# KiCad board AMLDC-2044B.kicad_pcb (continued)
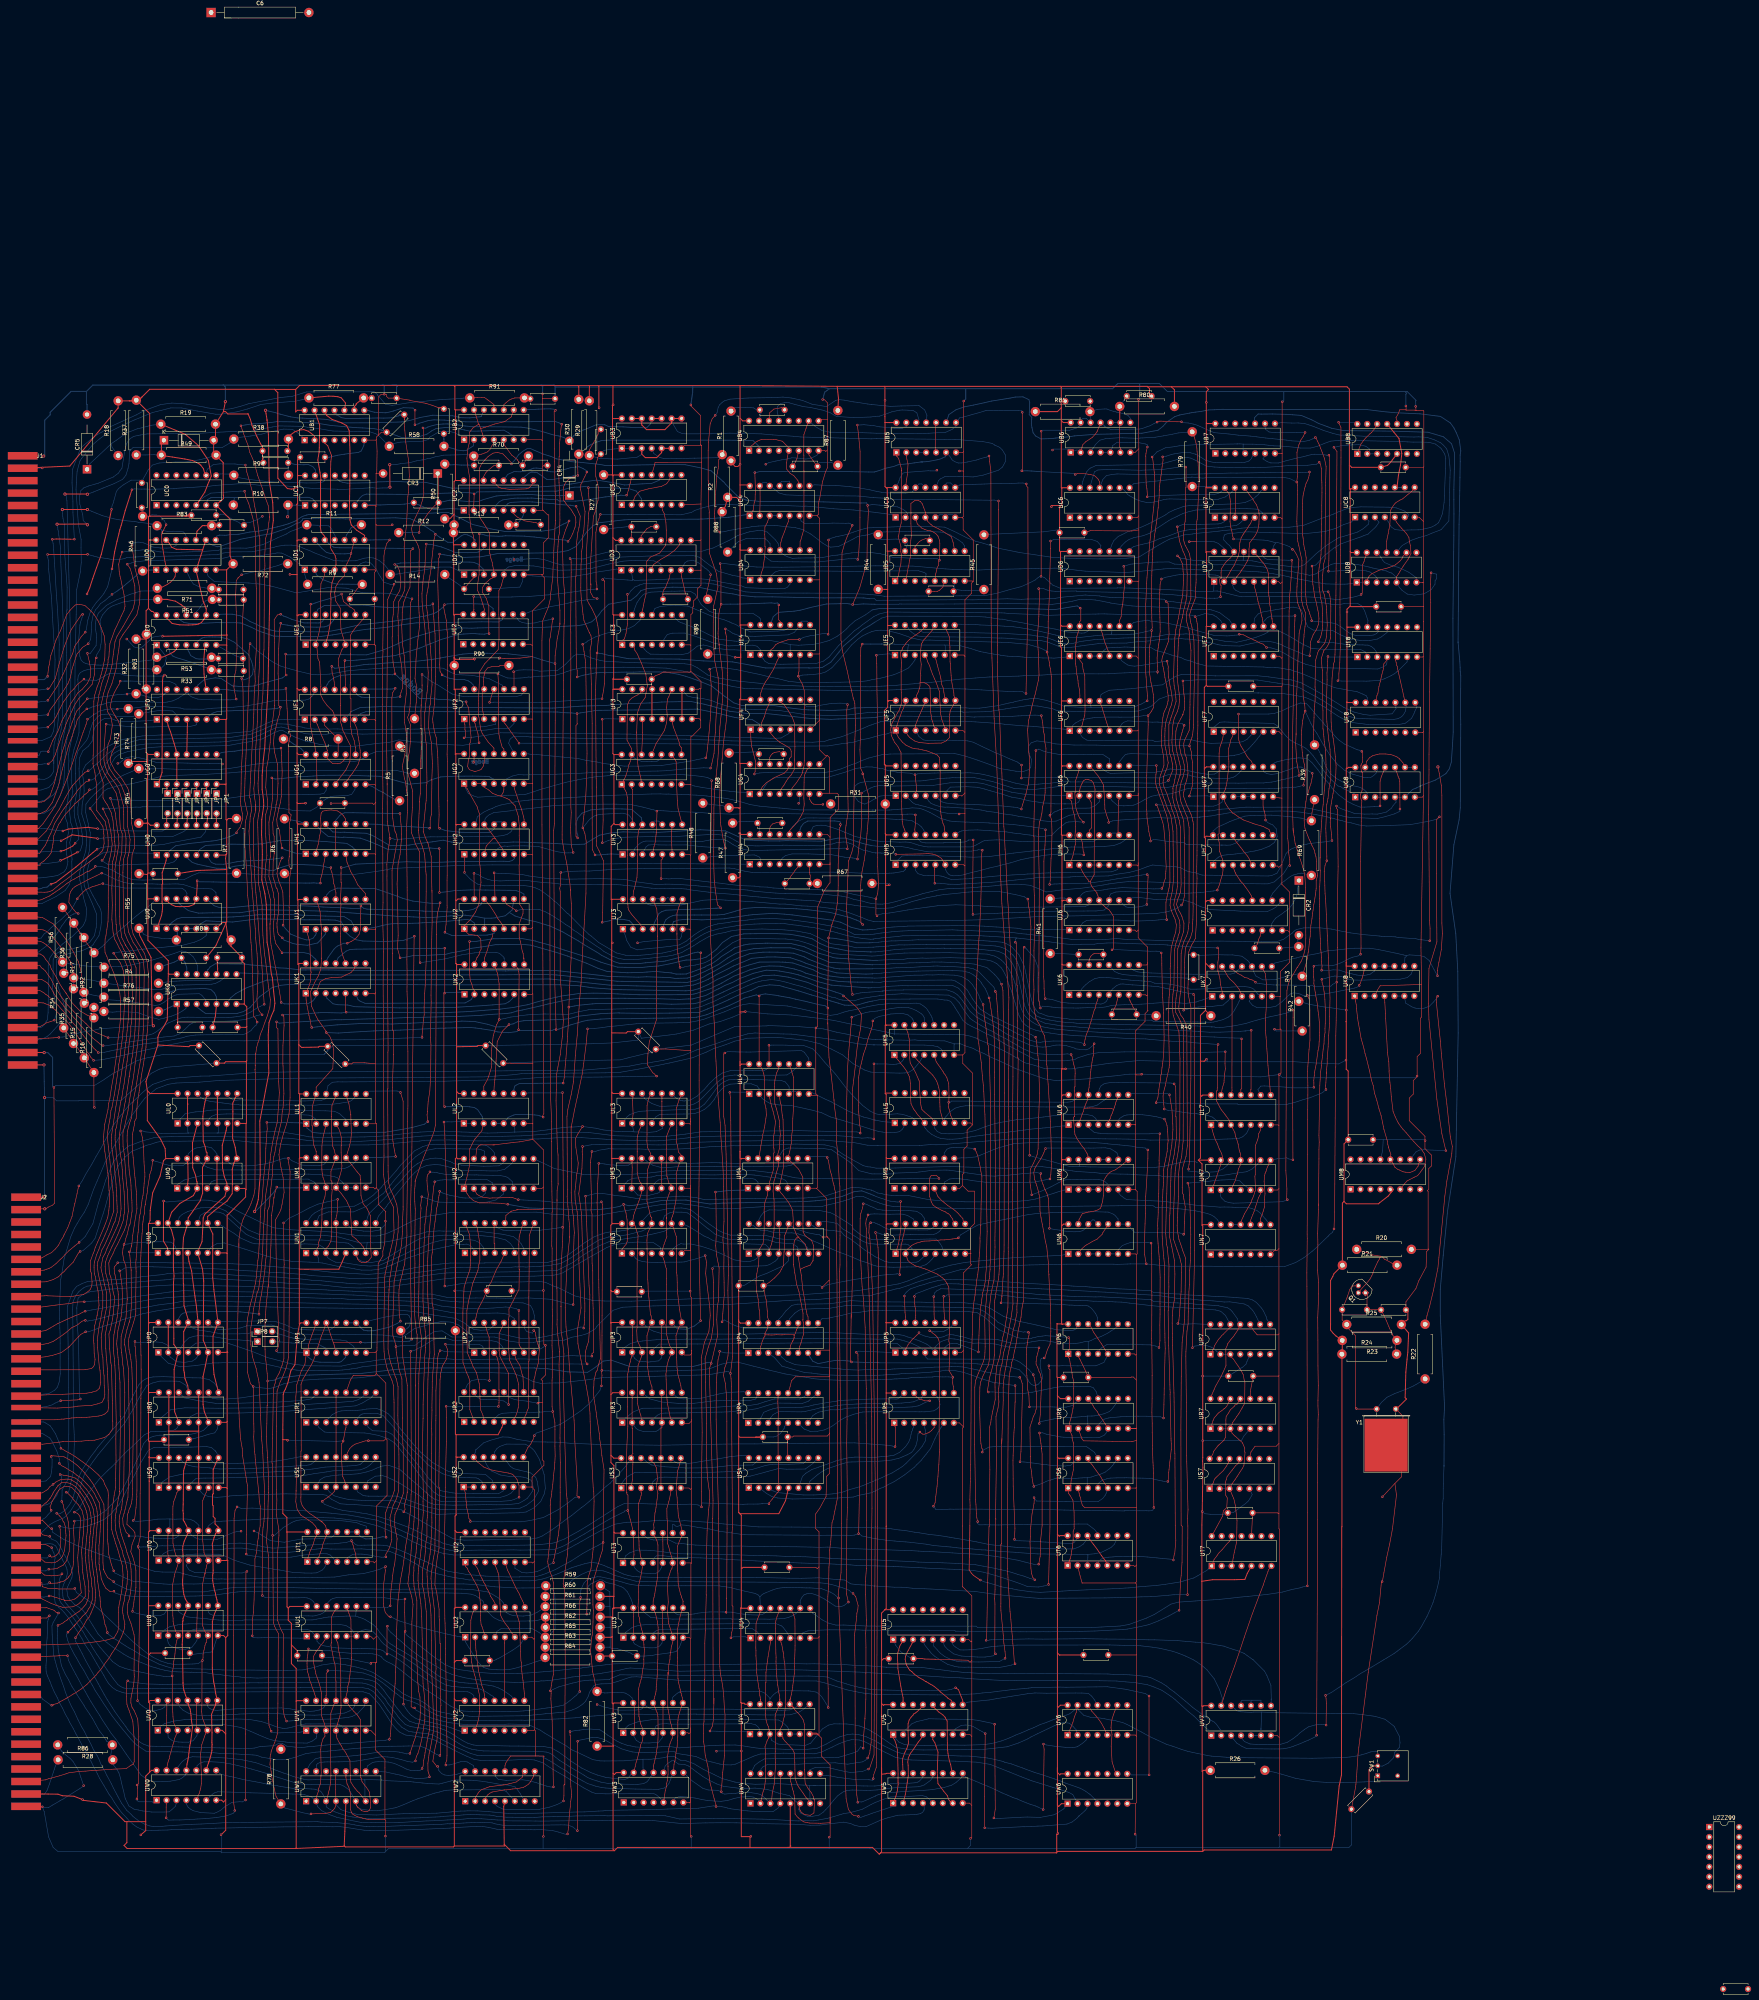
[diagram p0: board, top side]
## Routing (per net, layer and track width the routed paths; a pad name or vN(x,y) marks a point on that pad's centre or on a via; arc(x,y) is an arc through that point) (continued)
P1p3: length 15.1
  Bottom w0.15: UP1.3 153.02,163.59 152.41,163.88 152.19,163.98 150.97,164.65 149.67,164.68 145.76,164.7 144.39,164.79 142.18,165.02 141.51,165.04 JP8.2
P1p6: length 23.3
  Bottom w0.15: JP7.2 140.58,167.35 141.82,166.9 142.46,166.76 ; UP1.6 160.33,163.91 158.43,165.3 156.92,165.55 154.43,165.66 151.97,165.79 150.56,165.79 148.8,165.68 147.7,165.76 147.18,165.81 145.41,165.89 143.53,166.37 142.46,166.76
P2p1: length 124.5
  Top w0.15: v1(181.78,56.63) 181.58,56.63 180.53,57.98 181,60.69 181.2,61.72 181.6,63.32 181.66,64.68 181.3,80.8 181.37,81.61 181.31,82.99 180.91,96.88 180.3,101.99 180.07,104.71 180.18,106.16 180.28,106.7 180.66,109.73 181.06,111.64 181.09,113.63 181.09,114.53 181.26,120.15 181.26,126.59 181.31,144.97 181.33,146.28 181.33,152.57 181.75,160.77 181.99,162.12 v1(182.4,162.83)
  Bottom w0.15: UW2.16 188.04,55.04 187.61,54.94 186.69,54.63 185.53,54.43 184.54,54.34 183.59,54.45 182.79,54.81 182.08,55.58 v1(181.78,56.63) ; 189.19,162.46 184.15,162.54 183.48,162.63 182.97,162.83 v1(182.4,162.83) ; 189.19,162.46 189.39,162.46 ; 189.19,162.46 189.93,162.46 190.21,162.44 UP2.1
P2p3: length 128.4
  Top w0.15: v1(183.93,148.62) 184.04,145.72 183.99,139.52 183.72,127.82 183.72,126.76 183.74,125.15 183.5,114.77 183.45,112.28 183.42,110.8 183.51,110.09 183.51,104.46 183.44,104.39 183.51,104.32 183.6,94.44 183.66,93.24 183.7,91.49 183.72,89.55 183.8,86.84 183.77,85.29 183.83,82.98 183.92,78.3 183.95,77.67 183.95,69.81 183.99,68.28 184.13,64.09 184.16,62.45 184.16,59.43 184.1,58.16 183.85,57.6 v1(183.85,56.99) ; 197.23,148.47 197.3,148.54 v1(197.3,148.57) 197.33,148.57 197.43,148.67 197.43,149.58 197.46,149.62 197.46,152.86 197.43,152.9 197.43,159.29 196.92,161.21 UP2.3
  Bottom w0.15: UW2.15 190.91,56.87 189.88,57.46 189.38,57.77 188.7,57.9 187.7,57.86 184.92,57.03 v1(183.85,56.99) ; v1(183.93,148.62) 184.58,148.62 185.84,148.5 186.62,148.47 187.12,148.5 188.16,148.59 189.98,148.52 191.24,148.56 193.27,148.56 193.83,148.57 v1(197.3,148.57)
P2p5: length 10.5
  Top w0.15: UP2.5 201.82,160.6 202.78,159.04 203.33,156.81 203.56,156.28 UR2.10
P2p11: length 32
  Top w0.15: 197.68,161.48 197.45,162.87 197.49,162.91 197.49,167.2 197.76,167.83 UP2.11 ; 199.91,148.82 v1(199.91,149.06) 199.91,157 197.65,161.4
  Bottom w0.15: UR2.15 191.54,151.22 192.34,150.72 192.68,150.42 193.53,150.36 194.28,150.31 196.69,150.32 198.69,149.97 199.91,149.13 v1(199.91,149.06)
P2p13: length 23.3
  Top w0.15: UP2.13 194.15,168.72 194.52,167.3 194.93,166.28 v1(195,155.2) 195.06,155.03
  Bottom w0.15: v1(195,155.2) 193.86,155.44 192.89,155.5 191.59,155.4 190.44,155.19 189.39,154.21 UR2.16
P3p1: length 166.6
  Top w0.15: v1(334.1,128.14) 333.9,128.84 333.65,130.36 333.5,132.03 333.31,133.02 333.19,135.75 333.22,135.79 333.11,143.31 333.62,144.82 333.96,145.96 334.41,146.83 334.69,147.9 334.81,148.65 334.81,151.77 334.66,152.64 334.63,153.28 334.48,154.03 334.36,155.24 334.2,155.91 v1(333.96,156.71)
  Bottom w0.15: UP3.1 228.92,163.24 230.98,164.63 232.48,165.06 234.18,165.3 237.7,165.62 239.53,165.67 247.86,165.78 252.93,165.74 264.02,165.92 270.85,165.88 273.72,165.97 292.41,165.81 293.82,165.77 298.42,165.77 299.22,165.79 300.33,165.51 301.15,165.29 302.82,164.74 305.16,163.6 UP5.4 306.35,161.32 306.99,160.68 324.92,160.64 326.71,160.57 327.43,160.54 329.19,160.52 329.94,160.2 330.63,159.83 331.81,158.91 332.93,157.9 333.94,156.71 v1(333.96,156.71) ; v1(334.1,128.14) 334.61,128.36 335.64,128.71 336.63,129.1 337.23,129.42 337.93,129.67 338.26,129.75 339.79,130.23 341.72,130.22 342.95,130.19 344.64,130.19 345.6,130.29 346.43,130.33 346.93,130.36 347.74,130.36 ; 347.74,130.36 348.77,130.55 349.97,130.95 351.12,131.28 352.3,131.79 353.56,132.74 353.75,132.97 354.16,133.44 354.39,133.69 354.55,133.99 354.61,134.04 354.98,134.57 US6.9 ; 347.74,130.36 347.74,128.83 US6.3 347.78,128.81
P3p4: length 129.6
  Top w0.15: UP5.2 301.39,163.25 301.94,164.3 302.47,164.98 302.91,165.52 304.21,166.81 304.47,167.02 v1(304.76,167.44) 304.84,167.44 304.85,167.45
  Bottom w0.15: 348,165.15 348,163.08 ; 348,165.15 347.27,165.18 346,164.83 344.8,164.67 344.35,164.6 341.42,164.6 340.43,164.81 337.65,165.28 336.57,165.4 335.45,165.37 333.5,165.07 331.78,164.74 330.43,164.74 330.4,164.72 328.56,164.7 326.51,165.25 324.94,165.62 323.44,165.76 317.92,165.76 315.74,166.45 315.18,166.51 313.56,166.86 312.83,166.95 311.87,166.8 311.06,166.39 309.99,166.16 308.02,166.16 307.46,166.26 306.32,166.54 305.02,167.03 v1(304.76,167.44) ; 348,165.15 348.75,165.44 349.81,165.98 351.26,166.42 353.19,167.41 353.79,167.83 354.7,168.38 355.08,168.66 UP6.9 ; UP5.2 300.71,163.2 300.28,163.71 299.24,164.62 298.9,164.67 292.74,164.65 282.01,164.85 277.15,164.81 248.14,164.53 243.72,164.55 238.37,164.51 237.02,163.35 UP3.4 ; 348.01,163.08 UP6.3
P4p3: length 122.5
  Top w0.15: 329.21,114.51 329.28,114.57 v1(329.15,114.64) 329.28,117.36 329.04,123.13 328.84,128.13 328.82,130.07 328.78,134.81 328.81,136.07 329.02,141.97 329.12,143.22 329.31,149.68 329.34,149.71 329.34,153.55 329.4,153.81
  Bottom w0.15: UP4.3 267.8,161.09 269.71,158.89 272.33,158.14 275.58,157.23 277.33,157.11 278.91,156.88 281.95,156.61 285.93,156.47 293.33,156.5 ; 293.33,156.5 293.51,156.51 ; 293.33,156.5 294.74,156.56 295.69,156.6 298.14,156.76 298.9,156.81 299.68,156.86 300.34,156.96 301.34,157.01 304.37,157.1 308.02,157.35 310.35,157.62 311.48,157.84 312.37,157.81 314.19,157.68 315.95,157.34 318.31,156.55 320.84,155.62 323.5,154.78 326.41,154.34 327.55,154.17 v1(329.32,153.91) 329.34,154 ; v1(329.15,114.64) 329.54,114.29 330.56,114.27 334.2,114.14 335.73,114.04 336.17,113.98 337.12,113.94 339.97,113.75 340.99,113.69 343.8,113.54 344.39,113.83 344.92,114.5 345.04,115.35 UT6.13
P5p8: length 190.8
  Top w0.15: v1(308.45,123.1) 308.88,124 309.04,125.49 309.39,128.22 309.51,129.76 309.61,130.77 309.7,132.31 309.84,133.83 309.96,136.71 309.96,137.18 309.98,137.67 309.91,142.21 309.91,142.78 309.98,149.79 309.96,149.81 309.99,156.11 310.03,164.49 309.84,165.49 309.63,165.98 309.45,166.24 309.45,166.26 309.28,166.48 308.94,166.79 308.26,167.32 307.49,167.93 v1(307.49,167.93) ; v1(364.06,190.3) 364.15,189.91 364.18,187.61 364.24,186.24 364.23,177.83 364.27,176.89 364.23,167.94 364.22,165.87 364.25,164.93 364.34,156.49 364.32,156.48 364.32,150.59 364.28,147.07 364.35,144.31 364.36,141.94 364.46,138.51 364.43,137.72 364.54,134.36 364.59,133.53 364.61,132.76 364.64,131.58 v1(364.78,122.76)
  Bottom w0.15: v1(308.45,123.1) 308.5,123.1 309.05,122.27 310.64,122.21 312.68,122.36 313.56,122.33 316.79,122.37 317.78,122.36 333.76,122.24 334.62,122.23 336.81,122.21 337.87,122.24 341.87,122.12 343.42,122.09 352.75,121.98 354.24,121.94 357.29,121.89 357.37,121.98 361.04,121.93 362.78,121.94 363.49,121.91 364.24,121.96 364.53,122.13 v1(364.78,122.76) ; v1(307.49,167.93) 308.26,167.76 308.46,167.7 308.74,167.62 311.07,167.72 311.41,167.92 311.94,168.18 312.46,168.6 313.13,169.11 UP5.8 ; v1(364.06,190.3) 363.27,190.45 362.88,190.49 362.29,190.48 358.72,190.42 357.67,190.07 356.72,189.67 355.63,188.58 UN6.6 UN6.5
P5p9: length 92
  Top w0.15: UP5.9 311.29,170.99 311.27,171.3 310.97,176.26 311.08,176.66 v1(311.08,176.71) 311.04,176.71 311.11,176.64 ; UP7.12 384.31,168.83 382.5,167.02 382.1,166.66 381.78,166.25 381.3,165.72 380.26,164.07 380.08,163.41 UP7.1
  Bottom w0.15: 376.14,173.56 380.51,173.23 381.86,172.88 382.64,172.2 383.07,171.8 383.66,170.75 UP7.12 ; 376.14,173.56 376.42,173.54 ; 376.14,173.56 375.07,173.62 372.03,173.8 370.8,173.87 366.52,174.11 364.38,174.3 358.51,174.97 356.56,175.22 354.91,175.27 354.16,175.32 353.28,175.4 349.27,175.46 347.89,175.56 346,175.69 344.89,175.65 336.09,175.97 333.97,176.16 332,176.3 331.34,176.34 330.33,176.36 327.96,176.78 327.7,176.74 327.46,176.84 325.15,177.04 324.52,177.16 323.39,177.15 322.93,177.09 311.92,177.09 311.54,176.71 v1(311.08,176.71)
P5p10: length 110.1
  Top w0.15: UR7.14 379.65,151.72 380.16,152.84 380.47,153.64 381.97,156.28 382.39,157.14 383.2,159.01 383.15,163.33 383.58,164.3 383.65,164.59 384.09,165.2 384.48,165.75 385.13,166.47 385.37,166.84 386.27,168.14 UP7.11 ; UP5.10 308.66,171.14 308.62,172.19 308.62,173.8 v1(308.54,176.64) 308.47,176.66
  Bottom w0.15: 377.15,174.58 380.2,174.38 381.24,174.3 383.65,173.76 384.37,173.27 384.77,172.85 385.37,172.02 386.12,170.98 386.31,170.25 UP7.11 ; 377.15,174.58 375.56,174.68 373.85,174.89 372.83,174.89 370.85,175.02 370.09,175.04 369.06,175.08 367.84,175.19 366.14,175.29 364.68,175.41 364,175.88 363.9,175.87 360.84,176.04 359.26,176.18 352.07,176.54 351.21,176.59 349.85,176.55 344.56,176.66 342.78,176.75 336.64,177.11 335.46,177.14 332.96,177.43 332.29,177.45 329.75,177.72 329.29,177.77 328.06,177.86 326.97,178.04 322.6,178.23 320.64,178.31 318.47,178.38 317.03,178.44 312.03,178.6 310.27,178.65 ; 377.15,174.58 377.44,174.56 ; v1(308.54,176.64) 308.73,177.54 309.31,178.12 309.55,178.22 310.35,178.64
P5p12: length 99.2
  Top w0.15: UP5.12 303.81,171.32 303.94,171.86 303.84,173.59 303.74,174.11 303.66,174.93 303.66,176.66 v1(303.59,176.66) 303.59,176.73 303.64,176.69
  Bottom w0.15: v1(303.59,176.66) 303.59,176.85 304,177.4 306.04,178.14 306.56,178.35 307.9,178.85 308.35,179 308.58,179.06 309.08,179.21 309.72,179.42 310.33,179.62 311.01,179.8 311.87,179.92 ; 311.87,179.92 311.91,179.92 ; 311.87,179.92 314.92,179.88 316.33,179.7 320.41,179.47 322.18,179.31 327.74,179.06 328.99,178.99 330.28,178.95 331.23,178.88 334.52,178.68 335.25,178.68 336,178.6 337.48,178.55 338.55,178.54 342.92,178.29 344.21,178.22 348.54,177.98 349.98,177.88 350.72,177.84 352.42,177.77 355.45,177.55 358.89,177.44 361.4,177.18 364.32,177.01 366.15,176.87 370.65,176.19 371.8,176.14 372.43,176.14 374.08,176.02 376.64,175.74 379.88,175.54 382.79,175.25 384.18,175.3 387.82,174.77 388.84,174.29 389.51,173.66 390.01,173.13 390.54,172.34 390.98,171.48 UP7.9
P5p13: length 106
  Top w0.15: 301.05,176.94 301.05,176.8 v1(301.02,176.78) 301.05,176.75 301.2,172.55 301.32,171.49 301.27,171.3 UP5.13
  Bottom w0.15: v1(301.02,176.78) 301.02,177.12 301.46,177.65 301.72,177.92 302.24,178.36 302.68,178.64 304.9,179.42 306.18,179.76 307.39,180.17 309.49,180.71 311.73,181.03 312.77,180.96 315.42,180.93 316.72,180.93 321.15,180.82 324.41,180.59 329.77,180.21 331.78,180.03 338.73,179.69 341.49,179.52 343.65,179.35 344.32,179.3 347.32,179.17 348.31,179.09 353.55,178.73 354.87,178.64 359.88,178.45 361.06,178.28 363.93,178.16 364.71,177.68 366.11,177.6 367.87,177.46 368.95,177.42 370.09,177.32 371.29,177.3 372.07,177.18 373.94,177.03 375.86,176.96 376.14,176.95 ; 376.14,176.95 380.57,176.67 381.38,176.68 385.14,176.44 385.82,176.38 388.75,176.16 390.02,175.77 390.99,175.13 392.29,173.69 392.81,172.9 393.49,171.46 393.66,170.83 UP7.8 ; 376.14,176.95 376.64,176.92
P7p3: length 402.2
  Top w0.15: v1(374.63,163.57) 375.21,188.48 375.09,240.14 375.15,252.88 375.15,253.58 v1(374.9,253.83) ; v1(337.02,252.72) 336.85,253.71 336.72,255.33 336.71,257.23 336.59,258.45 336.64,265.99 336.62,266.72 336.62,267.66 336.61,273.69 336.61,280.07 336.68,280.14 336.68,287.8 336.82,290.09 336.86,290.44 336.96,291.94 337.04,293.78 337.12,294.59 v1(337.09,295.84) ; US7.3 384.89,125.72 385.2,125.04 385.59,123.31 386.02,119.42 385.92,113.94 385.31,111.22 385.07,110.01 384.91,109 384.64,107.83 ; US7.3 384.78,128.84 385.56,129.96 386.05,130.69 386.74,131.77 387.44,132.82 387.78,133.55 388.06,136.75 387.99,137.14 387.99,137.95 387.51,139.04 387.35,139.39 386.5,140.12 385.88,140.71 385.48,141.03 385.18,141.32 384.77,141.74 UR7.3 384.95,144.56 385.39,145.18 385.55,145.4 385.94,146 386.48,146.72 387.31,148.18 387.97,149.35 388.04,154.7 387.87,155.27 387.62,156.65 387.16,157.56 386.4,158.78 385.81,159.61 385.11,160.66 384.31,161.44 UP7.3 ; US7.3 384.11,128.19
  Bottom w0.15: 293.07,300.9 292.82,300.9 ; 292.82,300.9 289.45,300.94 274.35,300.93 270.4,301.29 269.98,301.36 269.11,301.42 263.95,301.9 261.57,302.31 258.79,303.13 255.59,303.87 254.32,304.02 253.1,304.16 250.43,304.5 247.83,304.71 246.25,304.77 245.94,304.81 244.06,304.85 242.81,304.86 240.68,304.98 240.13,304.96 238.65,305.02 236.42,305 224.03,304.59 219.3,304.31 217.91,304.22 215.93,304.11 211.51,303.85 211.42,303.76 211.4,303.79 207.51,303.64 206.75,303.62 206.23,303.56 205.05,303.43 203.88,303.3 201.76,303.07 200.64,302.73 197.95,302.19 196.6,301.76 195.82,301.36 ; 292.82,300.9 297.31,300.9 297.82,300.95 299.25,301.07 300.59,301.18 301.66,301.28 303.01,301.46 304.8,301.35 305.79,301.06 307.53,300.31 310.21,298.8 312.59,298.1 313.98,297.93 316.53,297.84 318.74,297.77 322.64,297.61 322.87,297.56 324.22,297.53 328.83,297.2 330.5,297 333.53,296.65 333.63,296.6 334.48,296.46 336.26,296.19 337.09,295.98 v1(337.09,295.84) ; UP7.3 UP7.2 380.71,162.74 380.22,163.3 379.42,163.73 378.14,164.16 377.38,164.1 376.88,164.08 376.11,164.11 375.12,163.98 v1(374.63,163.57) ; UH2.13 191.58,297.67 191.92,299.18 193.5,300.34 194.88,301.02 195.82,301.36 ; 195.82,301.36 195.83,301.38 ; UR7.3 UR7.2 ; US7.3 US7.2 ; UT7.2 384.64,107.83 ; v1(337.02,252.72) 338.04,252.61 338.9,252.47 340.94,251.83 342.86,251.6 344.34,251.53 347.24,251.5 348.1,251.47 349.38,251.45 350.32,251.44 351.24,251.34 352.23,251.68 352.66,252.09 352.9,252.51 UK6.5 353.82,254.68 354.19,255.19 355.05,255.92 355.27,256.07 356.18,256.45 356.88,256.48 358.31,256.33 359.27,256.23 359.28,256.25 361.75,256.1 364.11,255.93 365.84,255.8 368.51,255.22 372.21,254.39 372.93,254.27 373.51,254.14 374.1,254.07 374.9,253.85 v1(374.9,253.83)
Q1p1: length 20.7
  Top w0.15: R24.2 426.4,163.63 426.47,164.25 426.88,164.92 R23.1 425.86,166.71 425.01,168.48 424.82,168.95 424.14,170.57 423.6,171.75 C8.2 422.78,173.3 C9.1 419.23,176.19 419.35,176.31 419.35,177.09 Q1.1
Q1p2: length 22.3
  Top w0.15: Q1.2 417.61,178.33 417.97,178.8 418.96,179.83 419.99,181.1 420.46,181.95 420.74,182.55 420.91,183.24 421.34,184.18 421.98,185.51 422.39,186.22 422.75,186.95 ; R20.1 418.06,188.19 419.39,187.78 420.59,187.29 422.75,186.95 ; 422.75,186.95 423.18,186.77 423.69,186.2 425.53,185.21 R21.2
Q1p3: length 61.2
  Top w0.15: Q1.3 415.4,179.34 414.82,178.43 414.28,176.79 414.13,176.35 C9.2 412.88,170.68 R25.1 414.06,168.88 416.25,166.69 416.25,148.18 416.35,148.08 v1(416.48,148.08) 416.48,147.95 416.53,147.9 422.43,147.9
  Bottom w0.15: R22.1 431.76,154.17 431.03,153.79 429.27,152.99 426.25,151.84 424.33,150.92 423.83,150.43 422.93,149.63 Y1.1 416.62,147.94 v1(416.48,148.08)
R0p1: length 55.4
  Bottom w0.15: UR0.1 110.55,145.22 113.57,147.73 117.2,148.23 125.72,148.12 139.43,148.27 147.15,149.01 155.19,149.56 156.34,149.6 160.24,149.91 161.52,150.33 161.99,150.64 162.71,151.14 UR1.10
R0p4: length 51.7
  Bottom w0.15: 165.02,151.1 UR1.9 164.6,150.66 163.71,150.18 162.64,149.5 160.84,148.73 155.91,148.32 154.22,148.21 153.05,148.13 149.61,147.87 146.3,147.59 145.08,147.49 141.46,147.28 139.18,147.18 130.96,146.89 120.31,146.87 118.53,145.96 UR0.4
R0p9: length 26
  Bottom w0.15: UR1.16 147.04,152.37 146.22,152.28 144.23,152.19 143.02,152.15 140.44,151.94 139.32,151.83 136.71,151.59 131.5,150.76 128.01,150.49 127.14,150.47 125.39,150.5 124.16,150.69 123.5,151.16 UR0.9
R0p12: length 36.8
  Bottom w0.15: UR0.12 117.08,150.76 120.82,150 121.91,149.85 125.06,149.37 127,149.39 127.48,149.41 128.58,149.37 129.84,149.36 138.92,149.65 140.44,149.66 144.52,149.94 147.36,150.14 149.57,150.52 150.74,151.67 UR1.15
R0p13: length 301.7
  Top w0.15: 173.2,121.59 v1(173.1,121.65) 173.45,122.31 173.28,123.26 173.45,124 173.59,124.52 173.85,125.4 174,126.72 ; US3.5 US3.10 238.82,142.96 239.08,143.21 UR3.5 238.9,147.46 238.92,148.02 UR3.10 ; 172.76,165.49 172.76,167.52 R85.1 ; 172.76,165.49 172.76,165.57 ; 172.76,165.49 172.87,161.09 173.56,156.74 173.86,155.13 174,153.99 174,126.72 ; UR3.13 231.46,150.76 231.57,150.65 231.46,150.53 UR3.2 231.46,143.05 231.61,142.9 231.61,136.62 231.68,136.55 231.2,136.08 US3.13 231.67,134.91 231.67,134.51 231.64,133.78 231.55,129.96 US3.2 ; 174,126.72 174,126.54
  Top w0.25: 120.71,142.33 UR0.5 UR0.10 ; 120.71,142.33 120.64,142.26 113.09,142.26 ; 120.71,142.33 120.71,135.47 US0.10 US0.5 ; 113.09,142.26 UR0.2 UR0.13 ; 113.09,142.26 113.09,135.47 US0.13 US0.2
  Bottom w0.15: UP1.8 164.41,170.47 166.9,171.08 169.28,171.6 172.38,172.04 174.08,172.04 174.47,171.74 174.69,171.29 174.86,170.83 174.69,169.48 174.64,169.2 174.16,168.64 173.11,167.95 R85.1 ; UR3.5 238.91,143.58 238.58,142.91 238.1,142.5 237.56,142.2 236.93,142.12 234.33,142.19 232.94,142.62 232.45,143 232.16,143.38 UR3.2 ; US0.5 121.15,126.91 121.77,126.24 122.53,125.83 123.25,125.55 125.4,125.37 128.16,125.57 128.55,125.72 130.27,125.83 133.48,125.98 134.64,125.99 138.39,126.13 143.05,126.26 147.6,126.17 152.43,126.06 153.33,125.91 154.68,124.87 156.85,123.72 158.56,123.6 160.52,123.52 164.96,123.18 168.88,122.84 171.19,122.48 172.13,122.26 172.62,122.13 v1(173.1,121.65) 173.97,121.35 175.57,120.48 177.54,119.35 180.74,117.49 182.93,116.28 185.74,114.77 188.54,114.44 193.08,114.49 203.43,114.71 205.65,114.72 206.51,114.9 207.29,115 208.5,115.5 210.94,117.05 212.39,118.09 214.84,119.92 215.9,120.64 218.44,122.69 219.23,123.26 220.53,124.34 224.85,128.21 225.85,128.97 229.32,132.73 230.1,133.67 230.35,134.05 US3.13
R1p2: length 60.1
  Bottom w0.15: UR1.2 151.47,143.13 152.9,142.05 154.24,141.91 155.98,141.92 157.21,141.86 158.42,141.89 163.14,141.81 164.58,141.58 166.72,141.17 169.06,140.36 170.81,139.25 172.27,137.46 175.29,133.69 176.98,131.29 178.76,128.97 179.3,128.28 179.54,128.14 180.7,126.74 182.08,125.87 183.96,125.41 197.8,125.36 199.39,125.83 200.5,126.42 201.16,127.11 200.89,127.76 US2.6
R1p3: length 52.5
  Bottom w0.15: US2.4 195.8,129.68 193.96,131.23 187.53,131.47 186.27,131.75 184.59,131.95 181.12,133.86 180.51,134.25 177.47,136.84 175.55,138.94 172.49,142.58 169.96,145.87 169.15,146.68 168.21,147.27 166.16,148.07 163.63,147.92 162.59,147.71 161.33,147.59 160.83,147.56 160.01,147.6 159.45,147.57 158.39,147.51 157.1,147.44 156.24,147.19 154.85,146.5 153.91,145.55 UR1.3
R1p4: length 264.1
  Top w0.15: v1(250.14,187.11) 250.47,185.42 250.25,182.56 251.31,173.89 251.42,171.78 251.08,167.71 249.91,164.85 249.12,160.97 249.35,141.99 249.24,132.95 249.24,126.87 v1(249.18,122.92) ; US1.4 US1.13 155.82,135.67 UR1.4 UR1.13 ; US1.4 155.54,127.77 ; US1.4 155.5,127.73 155.51,127.25 155.34,126.82 154.79,126.27 153.86,125.48 153.58,125.29 152.85,124.81 152.34,124.29 152.31,124.29 v1(152.28,124.32) 152.25,124.29 152.18,124.29 ; 266.49,123.7 266.43,123.64 v1(266.43,123.74) 266.52,124.02 267.29,124.94 267.99,125.87 268.9,126.9 US4.4 US4.13 268.76,135.56 UR4.4 268.82,146.83 268.69,149.89 268.76,150.96 UR4.13
  Bottom w0.15: 264.63,123.72 264.64,123.74 v1(266.43,123.74) ; 264.63,123.72 264.88,123.72 ; 264.63,123.72 263.61,123.65 262.43,123.65 261.02,123.64 259.8,123.58 249.41,123.93 249.18,123.7 v1(249.18,122.92) 248.3,123.43 246.32,123.63 243.83,123.52 240.57,123.6 236.31,123.67 231.15,123.84 229.58,123.84 227.72,122.96 220.52,118.37 218.09,116.89 214.08,114.69 212.47,114.07 211.69,113.79 211.09,113.66 209.88,113.52 208.15,113.34 206.38,113.21 203.94,113.15 185.66,112.99 184.11,113.4 183.26,113.56 182.01,114.22 181.15,114.52 179.84,115.1 178.84,115.56 177.76,116.1 176.36,116.79 175.08,117.36 173.72,117.94 172.63,118.33 171.01,118.94 169.1,119.7 166.75,120.39 165.17,120.81 163.71,121.15 162.21,121.36 160.69,121.62 159.38,121.77 157.39,122.06 155.69,122.49 152.87,123.58 v1(152.28,124.32) ; UN3.2 232.31,186.47 232.73,186.12 233.19,185.87 233.99,185.64 235.34,185.43 237.57,185.36 238.04,185.36 239.67,185.41 243.64,185.44 244.06,185.45 244.84,185.5 246.48,185.95 247.77,186.27 248.67,186.53 v1(250.14,187.11)
R1p6: length 41.5
  Bottom w0.15: US2.3 193.08,129.45 192.1,130.18 191.59,130.33 189.8,130.38 188.68,130.39 187.58,130.4 185.38,130.69 183.11,131.36 180.78,132.69 179.44,133.59 177.23,135.85 176.4,136.56 174.94,138.01 174.34,138.69 173.36,139.84 171.78,141.71 170.65,143.14 167.84,146.25 166.42,146.77 164.55,146.84 163.1,146.75 162.45,146.64 161.94,146.34 161.49,145.79 UR1.6
R1p7: length 44.3
  Bottom w0.15: US2.5 198.51,127 197.37,126.32 195.74,126.3 190.83,126.33 189.07,126.34 186.75,126.41 185.55,126.51 182.55,127.06 179.87,129.9 179.72,129.9 178.14,131.94 176.74,133.66 174.02,137.05 172.95,138.38 170.09,141.5 168.72,142.16 167.4,142.29 165.14,142.37 164.02,143.28 UR1.7
R2p9: length 21.1
  Top w0.15: 206.44,167.82 v1(206.32,167.97) 206.72,167.54 206.86,166.61 207.09,165.48 207.43,164.34 207.79,163.29 207.47,159.61 206.75,157.13 206.6,156.11 206.38,155.46 UR2.9
  Bottom w0.15: UP2.9 203.97,168.51 204.52,167.71 206.02,167.31 v1(206.32,167.97)
R3p1: length 49.6
  Bottom w0.15: UR3.1 229.54,145.08 229.55,145.39 230.43,146.12 231.64,147.13 232.79,147.61 234.12,148.12 249.51,148.19 251.01,148.29 252.31,148.36 253.62,148.43 257.5,148.69 261.05,148.76 263.69,149.2 265.37,149.77 267.79,150.48 269.4,150.51 270.65,150.49 274.26,150.48 275.09,150.94 275.4,151.01 UR4.10
R3p4: length 44.6
  Bottom w0.15: UR3.4 237.25,145.72 237.89,146.33 238.88,146.82 239.93,146.89 246.42,146.97 247.94,147 252.42,147.11 254.36,147.14 256.29,147.21 256.81,147.29 260.3,147.54 263.36,148.02 266.45,148.97 268.2,149.43 271.92,149.41 273.36,149.32 274.98,149.36 276.47,149.91 UR4.9
R3p9: length 20.3
  Bottom w0.15: 255.49,152.11 253.49,151.73 252.3,151.44 251.21,151.19 249.96,150.85 249.14,150.69 245.75,150.56 244.56,150.51 243.08,150.74 UR3.9 ; 255.46,152.11 256.19,152.19 257.17,152.21 259.95,152.33 UR4.16
R3p12: length 31.5
  Bottom w0.15: UR3.12 235.94,150.52 239.06,149.69 243.38,149.36 247.26,149.39 252.45,150.01 256.46,150.09 257.49,150.07 261.53,150.08 263.06,150.49 UR4.15
R4p2: length 39.9
  Bottom w0.15: 292.82,150.48 295.92,150.5 297.12,150.53 297.57,150.53 298.66,150.47 299.14,150.48 299.52,150.61 299.68,150.76 299.94,151.01 300.09,151.16 300.14,151.17 UR5.13 ; 292.82,150.48 287.62,150.25 284.55,150.11 283.66,149.93 281.25,149.56 279.88,149.32 277.83,148.95 276.48,148.6 274.67,148.33 273.22,148.36 268.53,148.21 267.42,147.97 266.42,147.62 265.1,147.08 264.37,145.69 UR4.2 ; 292.82,150.48 292.84,150.48
R4p3: length 42.5
  Bottom w0.15: UR5.11 305.53,151 305.39,150.65 303.34,149.75 302.38,149.64 300.28,149.43 298.79,149.4 296.91,149.36 296.15,149.33 294.54,149.29 293.08,149.26 291.13,149.3 290.03,149.24 288.87,149.21 285.07,148.95 283.43,148.78 282.32,148.55 279.62,148.25 277.98,147.83 275.69,147.32 274.71,147.19 268.91,147.26 267.48,146.5 266.84,145.66 UR4.3
R4p6: length 42.4
  Bottom w0.15: UR4.6 275.07,143.13 275.44,142.8 276.9,142.23 278.85,142.25 280.57,142.58 282.4,143.44 284.97,145.25 286.13,145.86 288.05,146.57 289.52,146.95 290.36,147.16 291.81,147.2 292.62,147.21 303.76,147.22 304.95,147.2 305.42,147.21 306.29,147.2 308.57,147.46 309.4,147.98 309.85,148.41 310.14,149.04 310,149.79 309.93,150.06 309.64,150.63 309.55,150.88 UR5.10
R4p7: length 37.8
  Top w0.15: UR5.12 303.51,151.67 304.26,150.92 304.67,150.67 304.98,150.42 305.54,150.28 306.25,150.01 306.98,150.02 307.49,150.04 v1(307.49,150.01) 307.51,150.01 307.58,149.94
  Bottom w0.15: UR4.7 277.22,145.67 277.58,146.19 278.28,146.69 279.2,147.15 282.07,147.73 283.68,147.71 285.28,147.9 286.68,148.14 288.25,148.2 292.12,148.35 299.63,148.29 301.7,148.4 303.08,148.46 304.64,148.74 305.71,149.25 306.45,149.64 v1(307.49,150.01)
R7p11: length 18.1
  Top w0.15: UR7.11 386.04,149.17 385.5,148.95 385.31,148.62 384.3,147.69 383.86,146.9 383.25,146.02 383.17,145.13 383.17,142.39 383.08,140.72 382.67,139.95 381.38,138.74 381.1,138.47 380.05,137.11 379.82,136.32 US7.14
R7p12: length 9.4
  Top w0.15: UR7.12 383.88,149.5 383.36,148.58 382.86,148.05 382.69,147.97 382.13,147.49 381.43,147.05 381.14,146.74 380.84,146.4 380.19,145.66 379.89,144.94 UR7.1
R10p2: length 7.5
  Top w0.25: v2(143.43,375.8) 143.43,375.75 143.38,375.7
  Bottom w0.2: UC1.1 R10.2 143.53,375.9 v2(143.43,375.8)
RB1: length 169.4
  Top w0.15: v1(99.05,101.4) 98.24,101.35 98.05,101.32 97.01,102.12 96.38,103.22 95.8,104.62 95.68,105.78 95.43,106.84 95.35,108.2 95.24,108.31 95.27,109.66 95.27,110.72 95.22,112.17 95.22,113.06 95.37,114.12 95.52,116.71 95.61,118.38 95.69,120.75 95.7,121.01 95.6,121.67 95.28,124.02 94.5,125.42 94.09,126.33 93.13,127.7 92.18,128.75 90.79,130.21 89.59,131.01 88.73,131.71 87.69,132.29 86.92,132.78 86.04,133.3 85.67,133.44 85.16,133.98
  Top w0.25: R62.1 209.33,92.19 R66.1
  Bottom w0.15: 85.08,134.1 v1(85.1,134.05) 85.16,135.06 84.45,137.21 83.79,138.51 83.26,139.61 82.69,140.51 80.81,141.65 J2.40 ; R66.1 207.86,94.09 207.14,93.92 206.17,93.81 205.4,93.79 201.56,93.75 199.56,93.76 198.23,93.76 197.46,93.95 196.43,94.47 196.03,94.71 195.54,95.13 194.99,95.74 193.89,96.92 UU2.12 193.76,97.39 193.53,98.46 193.33,98.88 191.5,100.24 190.32,100.64 187.97,100.87 183.71,100.95 140.35,101.17 138.55,101.25 132.72,101.36 131.85,101.31 130.55,101.2 128.76,100.97 127.72,100.82 125.52,100.51 124.73,100.42 121.4,100.21 120.91,100.19 119.8,100.15 107.58,99.98 107.51,100.05 104.67,99.98 102.84,100.19 100.2,100.65 99.4,100.93 v1(99.05,101.4)
RB2: length 129.1
  Top w0.15: J2.25 81.17,164.48 82.33,164.72 83.53,165.19 ; 91.9,170.63 91.83,170.63 v1(91.75,170.55) 91.67,170.63 90.88,170.33 89.91,169.56 89.41,169.23 88.75,168.91 88.23,168.66 87.81,168.31 87.05,167.63 86.26,167.05 84.42,165.76 83.51,165.19
  Bottom w0.15: v1(91.75,170.55) 92.27,170.36 92.7,170.46 93.7,170.61 96.72,171.35 99.27,172.1 102.48,172.88 104.5,173.45 108.21,174.1 110.32,174.49 114.58,175.04 116.05,175.33 120.83,175.56 122.18,175.57 128.16,175.37 130.08,175.29 144.57,175.06 145.73,175.06 157.36,174.78 163.55,174.68 171.86,174.44 176.84,174.09 179.51,173.73 181.7,173.24 185.07,172.6 186.84,172.39 194.86,172.4 197.01,172.44 198.49,172.35 199.79,172.11 201.45,170.99 UP2.10
RB3: length 124.9
  Top w0.15: 87.65,163.83 87.37,163.62 85.6,162.33 83.38,161.64 81.6,161.26 J2.27 ; 87.56,163.76 89.15,165.5 89.91,166.28 90.11,166.5 90.63,167.02 v1(91.83,167.65) 91.9,167.69
  Bottom w0.15: v1(91.83,167.65) 92.62,167.65 96.27,169.01 99.5,170.01 101.18,170.71 106.37,172.24 109.59,172.92 112.48,173.37 114.95,173.76 117.89,174.24 119.3,174.31 135.46,174.11 139.07,173.97 146.46,173.8 157.39,173.68 164.06,173.59 165.57,173.62 168.48,173.48 175.75,172.8 178.39,172.36 180.86,171.9 186.33,171.07 188.45,170.01 189.7,169.05 191.06,168.24 192.84,168.05 194.77,168.14 195.94,169.05 UP2.12
RB4: length 274.1
  Top w0.15: J2.13 81.24,183.39 81.92,183.65 82.46,183.81 83.04,184.13 84.26,185.06 85.37,186.16 85.91,186.63 86.53,187.34 87.57,188.36 89,189.54 v1(90.17,190.49) 90.13,190.6 ; v1(289.75,218.39) 289.75,218.88 289.78,219.6 289.61,220.54 289.34,223.98 289.35,225.43 289.38,226.21 289.3,232.47 289.7,234.91 289.99,236.09 290.25,237.21 290.59,238.59 291.16,240.18 291.7,242.28 292.49,244.6 292.89,245.88 v1(292.98,247.06)
  Bottom w0.15: v1(289.75,218.39) 288.91,218.7 287.34,218.71 286.79,218.71 273.98,219.02 258.94,218.84 249.05,218.72 245.06,218.12 240.77,217.63 236.83,217.46 226.96,217.71 220.36,218.54 213.62,218.58 209.53,218.12 203.2,217.69 198.31,217.57 195.23,217.51 193.96,217.52 188.48,217.63 182.89,217.88 177.74,217.62 174.86,217.34 169.79,216.77 168.09,216.67 164.95,216.45 162.19,216.31 159.32,216.26 150.33,216.35 148.36,216.56 143.67,217.09 127.45,217.48 119.52,217.46 113.69,217.48 111.35,217.41 109.22,217.2 106.33,216.4 102.73,215.05 100.14,212.79 98.87,210.92 96.98,206.41 96.11,203.67 95.05,200.36 93.67,195.26 91.68,191.93 v1(90.17,190.49) ; UK5.12 303.44,246.85 303.24,247.28 303.01,247.66 302.99,247.76 301.95,248.57 300.69,248.92 300.14,248.95 297.58,248.81 296.09,248.46 294.63,248.2 293.47,247.71 v1(292.98,247.06)
RB5: length 266
  Top w0.15: 90.47,188.25 90.44,188.21 v1(90.44,188.17) 90.4,188.17 89.97,187.74 88.65,185.43 86.8,183.61 86.46,183.16 86.04,182.79 85.56,182.4 84.95,181.75 83.5,180.97 81.73,180.42 77.11,180.29 J2.15 ; v1(293.23,216.89) 293.26,216.93 v1(293.26,236.08)
  Bottom w0.15: v1(90.44,188.17) 91.2,188.42 92.09,189.19 93.39,190.34 94.26,191.59 95.47,195.34 96.28,197.75 96.86,199.59 97.88,203.43 98.3,204.57 98.63,205.98 99.4,208.39 99.86,209.39 100.51,210.55 102,212.37 103.69,213.75 106.45,214.86 107.32,215.26 108.38,215.51 109.88,216.03 110.92,216.24 111.81,216.32 113.18,216.33 114.81,216.3 122.33,216.4 123.34,216.44 124.11,216.46 129.85,216.53 135.72,215.93 141.89,215.57 142.3,215.49 145.5,215.29 164.06,215.38 166.43,215.49 169.06,215.62 173.03,216 177.18,216.35 178.49,216.56 184.68,216.64 189.49,216.43 193.87,216.38 197.71,216.46 205.97,216.91 207.44,216.89 210.52,217.09 214.3,217.34 218.64,217.22 224.95,216.81 227.29,216.64 236.16,216.41 237.13,216.41 238.1,216.43 239.48,216.53 241.4,216.68 245.93,217.21 248.78,217.47 254.96,217.65 264.53,217.81 276.58,217.82 283.98,217.72 286.41,217.57 290.17,217.1 291.63,217.2 291.86,217.17 292.52,217.15 v1(293.23,216.89) ; UK5.2 300.87,237.28 300.53,236.82 299.8,236.16 298.97,236 298.15,235.92 296.47,236.04 294.07,236.04 ; 294.07,236.04 294.05,236.06 ; 294.07,236.04 v1(293.26,236.08)
